# Altium PCB GunPCB1.PcbDoc (part 2 of 2)
Units mil, origin at the board's own origin, x right, y up, seen from the top; angles counter-clockwise.
Board outline 7480 x 4930 mil, 2 copper layers (Top Layer, Bottom Layer); 146 components, 114 nets, 430 pads, 188 vias.
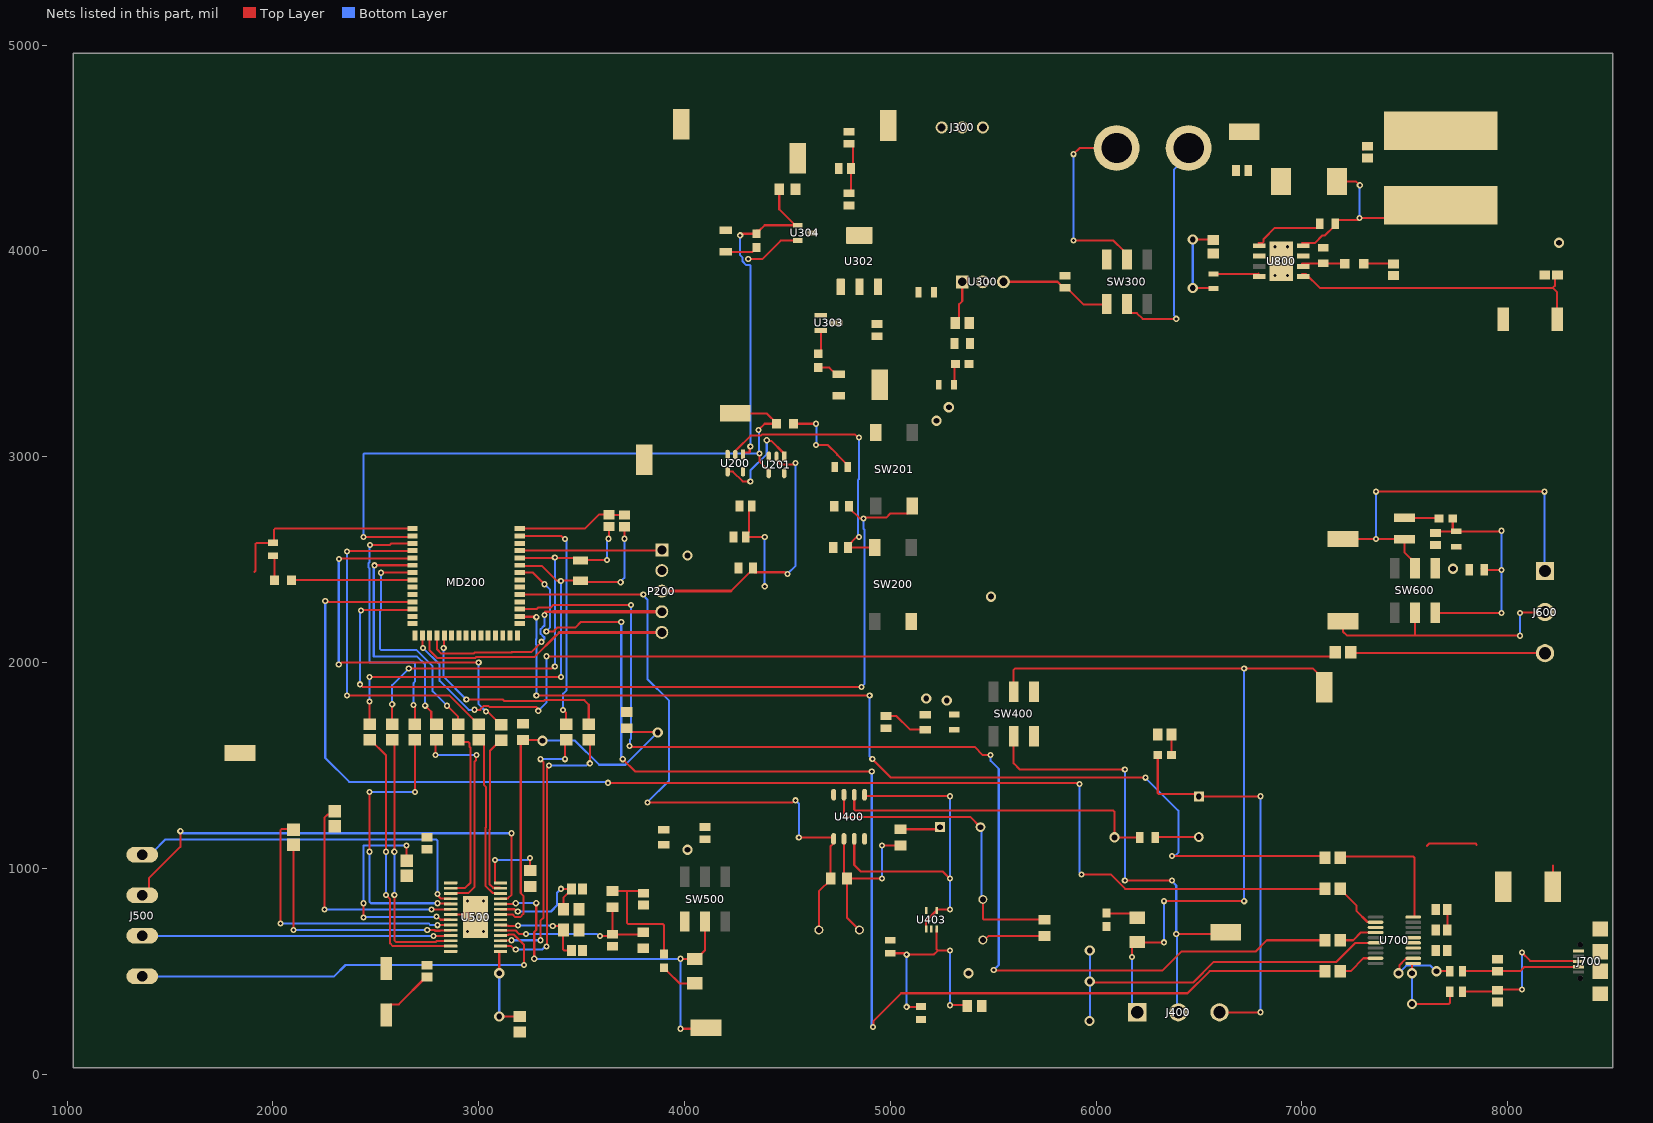
[diagram p2: the nets of this part, all layers, seen from the top]

## Via types
v1: diameter 30, hole 15, Top Layer to Bottom Layer, 164 vias
v2: diameter 50, hole 28, Top Layer to Bottom Layer, 16 vias
v3: diameter 50/50 (per signal layer), hole 28, Top Layer to Bottom Layer, 8 vias

## Nets (pads, with @x,y where several pads share a name; then routed paths per layer and width w, separated by ;. In a path a pad name is that pad's centre, name@x,y a point inside that pad or via, vN(x,y) a via of type N, cw(c..) or ccw(c..) an arc to the next point about the centre after c; other vN are vias at no path point)
3.3V: C200.1 C201.1 C303.1 C306.1 C509.1 C510.1 C511.1 C702.1 MD200.4 P200.1 R200.2 R201.2 R203.2 R204.2 R306.2 R403.2 SW500.6 TP301.1 U200.5 U201.5 U302.2 U302.4 U304.3 U400.8 U403.5 U700.3 U700.14 | length 725.1
  Top Layer w10: MD200.4@3200,2543.7 3883.7,2543.7 P200.1@3890,2550 ; R200.2@4730,2950 R200.2@4730,2958.86 ; C702.1@7637.5,612.5 C702.1@7650,600 C702.1@7650,605.94
  other v3: 4015,1090 4015,2520
3V3_PWR_GOOD: D303.2 R306.1 U200.1 U304.1 | length 1615.8
  Top Layer w10: v1(4270.76,4075.74) 4274.82,4075.74 4282.54,4083.46 D303.2@4350,4083.46 ; U200.1@4284.51,3010 4284.51,3014.52 4289.98,3020 4314.14,3020 4317.13,3022.99 4317.13,3047.13 v1(4320,3050) ; D303.2@4350,4100 4364.57,4100 4389.37,4124.8 U304.1@4540,4124.8 ; R306.1@4460.63,4300 4460.63,4202.36 4532.99,4130 U304.1@4540,4130
  Bottom Layer w10: v1(4270.76,4075.74) 4270.76,3979.24 4282.5,3967.5 4282.5,3948.61 4298.61,3932.5 4317.5,3932.5 4320,3930 v1(4320,3050)
5V: C300.1 C304.1 C305.1 C400.1 C401.1 C402.1 C703.1 C704.1 J300.3 R514.2 SW400.6 TP302.1 TP700.1 U302.3 U303.3 U700.15
  other v2: 5175,1825 5225,3175
  other v3: 5275,1815 5285,3240
5V_PWR_GOOD: D301.2 U303.2 | length 113.7
  Top Layer w10: D301.2@4660,3500 4662.6,3502.6 U303.2@4662.6,3612.6
7.4V: C302.1 C600.1 C601.1 C602.1 C804.1 L800.1 R801.1 SW600.6 TP300.1 | length 168.1
  Top Layer w10: TP300.1@6680,4550 TP300.1@6710,4580 ; C804.1@7298.3,4492.81 C804.1@7320,4514.51 ; C804.1@7317.03,4511.54 C804.1@7320,4514.51 ; C804.1@7320,4508.57 C804.1@7320,4514.51 ; C804.1@7320,4518.57 C804.1@7320,4514.51 ; L800.1@7560,4540 L800.1@7580,4560 ; C602.1@7650,2570.47 C602.1@7657.87,2562.6 ; C600.1@7747.4,2562.6 7750,2560 7752.6,2562.6 7761.81,2562.6 C600.1@7770.59,2553.82 ; C601.1@7810,2450 C601.1@7810,2462.44
  other v3: 7735,2455 8250,4040
24V: C502.1 C503.2 C504.1 C507.1 C803.1 D300.2 J300.1 R300.1 R301.1 R505.2 U300.2 U500.15 U500.28 U800.2
  other v3: 5380,490 5490,2320
FTDI_CTS_N: R705.2 U700.9 | length 211.8
  Top Layer w10: R705.2@7187.4,500 7236.93,500 7299.43,562.5 7357.87,562.5 U700.9@7360,560.37 ; U700.9@7358.46,562.5 7367.87,562.5 U700.9@7370,560.37
FTDI_RTS_N: R704.2 U700.2 | length 258
  Top Layer w10: R704.2@7187.4,900 7187.4,897.05 7264.73,819.72 7264.73,793.37 7319.5,738.6 7356.77,738.6 U700.2@7360,735.37
FTDI_RX: R703.2 U700.4 | length 189
  Top Layer w10: R703.2@7187.4,650 7249.43,650 7286.93,687.5 7357.87,687.5 U700.4@7360,685.37
FTDI_TX: R702.2 U700.20 | length 659.3
  Top Layer w10: R702.2@7187.4,1050 7194.69,1057.29 7541.86,1057.29 7547.71,1051.43 7547.71,765.16 7545.06,762.5 U700.20@7541.54,762.5
GND: C200.2 C201.2 C202.1 C203.1 C300.2 C301.2 C302.2 C303.2 C304.2 C305.2 C306.2 C400.2 C401.2 C402.2 C407.2 C500.2 C501.2 C502.2 C504.2 C506.2 C507.2 C508.1 C509.2 C510.2 C511.2 C600.2 C601.2 C602.2 C700.2 C701.2 C702.2 C703.2 C704.2 C802.2 C803.2 C804.2 C805.2 C806.1 D400.1 D500.1 D600.1 D800.2 J300.2 J700.5 J700.Shell MD200.1 MD200.15 MD200.43 P200.2 R202.1 R300.2 R303.1 R305.2 R307.1 R401.1 R407.1 R500.1 R501.2 R510.2 R511.1 R515.1 R516.1 R800.1 SW200.3 SW201.3 SW300.3 SW400.3 SW600.3 TP201.1 TP202.1 TP303.1 TP501.1 TP701.1 U200.3 U201.3 U302.1 U303.1 U304.2 U400.4 U403.2 U500.7 U500.21 U500.29 U700.6 U700.16 U800.7 U800.9 | length 7694.6
  Top Layer w10: 1910,2440 1915,2445 1915,2575.64 1920.86,2581.5 R202.1@2000,2581.5 ; R202.1@2000,2585 2005,2590 2005,2644.14 2010.86,2650 MD200.43@2678.82,2650 ; C502.2@2550,310 2550,316.34 2572.56,338.9 2611.54,338.9 2744.06,471.43 C504.2@2750,471.43 ; U500.21@2863.94,775.21 2964.79,775.21 U500.29@2980,760 ; MD200.1@3200,2650 3515,2650 3585,2720 C202.1@3630,2720 ; C202.1@3633.52,2717.68 3692.32,2717.68 C203.1@3700,2710 ; R511.1@3650,887.83 R511.1@3652.41,885.42 ; R511.1@3650,890 3720,890 ; C509.2@3800,878.57 3788.57,890 3720,890 ; D500.1@3900,583.46 3900,724.14 3894.14,730 3725.86,730 3720,735.86 3720,890 ; C201.2@4297.11,2610 C201.2@4300,2610 ; v1(4310,3960) 4377.72,3960 4467.72,4050 U304.2@4550,4050 ; C200.2@4326.63,2760 4312.93,2746.3 4312.93,2633.7 4300,2620.77 C201.2@4300,2610 ; v1(4390,2610) C201.2@4300,2610 ; C306.2@4800,4279.53 4810,4289.53 C303.2@4810,4400 ; C303.2@4809.06,4400 4820,4410.94 C304.2@4820,4520 ; C402.2@4980,1740 5030,1740 5095,1675 5170,1675 C401.2@5175,1670 ; v2(5970,450) 5975,445 6472.85,445 6572.93,545.08 7168.55,545.08 7260.97,637.5 U700.6@7358.46,637.5 U700.6@7357.36,636.4 ; v2(6470,3820) 6471.32,3818.68 C802.2@6568.68,3818.68 ; v2(6470,4055) 6567.81,4055 C803.2@6570,4052.81 ; U700.16@7541.54,662.5 U700.16@7542.64,663.6 ; 7607.86,1107.86 7620,1120 7844.14,1120 7850,1114.14 ; SW600.3@7648.43,2241.73 7650.16,2240 v1(7970,2240) ; C602.2@7650,2629.53 7657.87,2637.4 7747.4,2637.4 7750,2640 7739.65,2640 7733.46,2646.18 D600.1@7733.46,2700 ; C703.2@7707.15,707.15 C704.2@7707.15,800 C704.2@7707.15,805.94 ; C600.2@7750,2637.4 7967.4,2637.4 v1(7970,2640) ; C601.2@7872.72,2457.28 C601.2@7880,2450 ; C601.2@7886.42,2450 v1(7970,2450) ; TP701.1@8220,900 8220,1014.14
  Bottom Layer w10: v1(4390,2370) v1(4390,2610) ; v2(5967.99,258.13) 5970,260.15 v2(5970,450) v2(5970,600) ; v2(6470,3820) v2(6470,4055) ; v1(7970,2240) v1(7970,2450) v1(7970,2640)
  other v1: 2945.63,693.51 3024.37,693.51 2985,762.41 2945.63,841.15 3024.37,841.15
hall_gnd: J400.2 SW400.2 TP401.1 | length 2334.8
  Top Layer w10: SW400.2@5600,1641.73 5600,1510 5630,1480 v1(6140,1480) ; v1(6140,940) v1(6370,940) ; v1(6390,680) TP401.1@6620,680
  Bottom Layer w10: v1(6140,940) v1(6140,1480) ; v1(6370,940) 6370,935.94 6390,915.94 v1(6390,680) 6392.87,677.13 6392.87,302.87 J400.2@6390,300
hall_sig: C403.1 D401.2 J400.3 | length 1931.4
  Top Layer w10: D401.2@6300,1550 6300,1365.86 6305.86,1360 6490,1360 C403.1@6500,1350 ; C403.1@6500,1348.43 6798.43,1348.43 v1(6800,1350) ; J400.3@6610,300 v1(6800,300)
  Bottom Layer w10: v1(6800,300) v1(6800,1350)
hall_vdd: J400.1 R400.1 SW400.5 TP400.1 | length 3787.9
  Top Layer w10: SW400.5@5600,1858.27 5600,1964.14 5605.86,1970 v1(6720,1970) 7054.84,1970 7084.84,1940 TP400.1@7110,1940 ; v1(6175.53,569.45) 6175.53,616.48 R400.1@6200,640.94 6200,640 v1(6330,640) ; v1(6330,840) v1(6720,840)
  Bottom Layer w10: 6175.53,344.87 v1(6175.53,569.45) ; v1(6330,640) v1(6330,840) ; v1(6720,840) v1(6720,1970)
NetC301_1: C301.1 SW300.6 U300.3 | length 555.8
  Top Layer w10: U300.3@5550,3850 5812.6,3850 5842.6,3820 C301.1@5850,3820 ; C301.1@5850,3820.47 5857.87,3820.47 5938.35,3740 SW300.6@6060,3740
NetC403_2: C403.2 R404.2 | length 210.7
  Top Layer w10: R404.2@6290,1150 6291.57,1151.57 C403.2@6500,1151.57
NetC404_1: C404.1 R402.2 | length 194.4
  Top Layer w10: R402.2@5050,1189.37 5229.37,1189.37 C404.1@5240,1200
NetC404_2: C404.2 C406.1 R406.1 U400.7 | length 1557.7
  Top Layer w10: U400.7@4775,1357.28 4775,1255.86 4780.86,1250 5388.43,1250 C404.2@5438.43,1200 ; C406.1@5450,848.43 5450,755.86 5455.86,750 5740,750 R406.1@5750,760 ; C406.1@5450,850 C406.1@5450,857.44
  Bottom Layer w10: C404.2@5440,1200 5444.21,1195.79 5444.21,854.21 C406.1@5450,848.43 ; C406.1@5450,850 C406.1@5450,857.44
NetC405_2: C405.2 R402.1 R405.2 U400.2 | length 894.3
  Top Layer w10: U400.2@4775,1142.72 4775,965 4790,950 v1(4960,950) ; R405.2@4789.37,950 4789.37,760.63 C405.2@4850,700 ; v1(4960,1110) 5049.37,1110 R402.1@5050,1110.63
  Bottom Layer w10: v1(4960,950) v1(4960,1110)
NetC406_2: C406.2 R406.2 | length 308.8
  Top Layer w10: C406.2@5450,650 5457.44,650 5478.7,671.26 R406.2@5750,671.26
NetC407_1: C407.1 R403.1 R407.2 U403.3 | length 1096.4
  Top Layer w10: R403.1@5000,586.85 5073.15,586.85 v1(5080,580) 5210,580 5230,600 ; v1(5080,326.57) R407.2@5150,326.57 ; U403.3@5225.59,705.63 5225.59,605.86 5231.45,600 v1(5290,600) v1@5284.37,605.63 ; v1(5290.81,334.38) 5365.62,334.38 C407.1@5370,330
  Bottom Layer w10: v1@5080,325 v1(5080,326.57) v1(5080,580) ; v1(5290,600) 5290,330 5290.81,330.81 v1(5290.81,334.38)
NetC500_1: C500.1 R500.2 U500.9 | length 545.9
  Top Layer w10: U500.9@3106.06,800.8 3175.11,800.83 3185.94,790 v1(3190,790) ; v1(3400,900) C500.1@3450,900 3450,895.05 3411.61,856.66 R500.2@3411.61,800
  Bottom Layer w10: v1(3190,790) 3351.41,790 3380.64,819.23 3380.64,880.47 3400,899.84 v1(3400,900)
NetC501_1: C501.1 R501.1 U500.6 | length 453.6
  Top Layer w10: U500.6@3106.06,724.06 3107.95,722.17 3141.16,722.17 3144.56,718.77 3167.34,718.77 3168.2,719.62 3188.27,719.62 v1(3191.14,722.49) ; v1(3360,720) 3390.04,720 3410,700.04 3410,605.86 3415.86,600 C501.1@3450,600
  Bottom Layer w10: v1(3191.14,722.49) 3192.39,721.25 3358.75,721.25 v1(3360,720)
NetC503_1: C503.1 U500.22 | length 1062.4
  Top Layer w10: v1(2440,760) v1(2440,830) ; C503.1@2650,1040 v1(2650,1110) ; v1(2795,765) 2800.41,765 2815.77,749.65 U500.22@2863.94,749.62
  Bottom Layer w10: v1(2440,760) 2442.5,762.5 2792.5,762.5 v1(2795,765) ; v1(2440,830) 2440,1110 v1(2650,1110)
NetC505_1: C505.1 U500.24 | length 1180.4
  Top Layer w10: C505.1@2090,1110 2100,1100 v1(2100,700) ; v1(2750,700) 2785.42,700 2789.05,696.37 2811.71,696.37 2813.8,698.46 U500.24@2863.94,698.46
  Bottom Layer w10: v1(2100,700) v1(2750,700)
NetC505_2: C505.2 U500.23 | length 1350.2
  Top Layer w10: v1(2036.43,730.83) 2036.43,1184.14 2042.29,1190 C505.2@2100,1190 ; v1(2800.23,723.37) 2800.56,723.7 2863.58,723.7 U500.23@2863.94,724.06
  Bottom Layer w10: v1(2036.43,730.83) 2758.06,730.83 2763.89,725 2798.6,725 v1(2800.23,723.37)
NetC506_1: C506.1 R505.1 R511.2 U500.5 | length 853.1
  Top Layer w10: U500.5@3106.06,698.46 3170.51,698.46 3171.47,697.5 3179.68,697.5 3197.18,680 v1(3230,680) ; v1(3590,670) 3640,670 C506.1@3650,680 ; C506.1@3650,672.83 C506.1@3655,677.83 ; R511.2@3650,810 C506.1@3650,680 ; R505.1@3800,690 3788.57,678.57 C506.1@3650,678.57 C506.1@3650,680
  Bottom Layer w10: v1(3230,680) 3575.94,680 3585.94,670 v1(3590,670)
NetC508_2: C508.2 U500.20 | length 1126.4
  Top Layer w10: v1(2250,800) 2250,1245.82 2265.09,1260.91 2274.49,1260.91 2290,1276.42 C508.2@2290,1290 ; v1(2770,800) 2770.41,800.41 2863.52,800.41 U500.20@2863.94,800.8
  Bottom Layer w10: v1(2250,800) v1(2770,800)
NetC801_1: C801.1 U800.1 | length 358.8
  Top Layer w10: 6788.7,4037.79 6807.4,4037.79 6814.21,4044.6 6814.21,4057.74 6868.67,4112.2 7074.88,4112.2 7090,4127.31 C801.1@7090,4140
NetC801_2: C801.2 D800.1 L800.2 U800.8 | length 902
  Top Layer w10: 7001.3,4037.79 7063.08,4037.79 7100.28,4074.99 7112.48,4074.99 7157.49,4120 C801.2@7170,4120 ; C801.2@7162.4,4132.79 7162.4,4137.28 7175.12,4150 7274.14,4150 7274.14,4150.08 7280,4155.94 v1(7280,4160) 7510,4160 L800.2@7550,4200 ; D800.1@7170.83,4337.79 7261.89,4337.79 7280.71,4318.97 v1(7281.97,4318.97)
  Bottom Layer w10: v1(7280,4160) 7280,4317 v1(7281.97,4318.97)
NetC802_1: C802.1 U800.4 | length 220.9
  Top Layer w10: C802.1@6570,3888.22 6570.22,3888 6788,3888 6790,3890
NetC805_1: C805.1 R802.1 | length 149.7
  Top Layer w10: R802.1@7301.26,3937.79 7447.79,3937.79 C805.1@7450,3940
NetC806_2: C806.2 R802.2 U800.6 | length 210.6
  Top Layer w10: 7001.3,3937.79 C806.2@7102.21,3937.79 ; C806.2@7100,3940 C806.2@7102.21,3937.79 ; R802.2@7208.74,3937.79 C806.2@7102.21,3937.79
NetD300_1: D300.1 R303.2 | length 101.6
  Top Layer w10: R303.2@5312.6,3350 5312.6,3446.06 D300.1@5316.54,3450
NetD301_1: D301.1 R305.1 | length 113.7
  Top Layer w10: D301.1@4650,3433.07 4704.13,3433.07 4737.2,3400 R305.1@4750,3400
NetD303_1: D303.1 R307.2 | length 149.1
  Top Layer w10: R307.2@4200,3995.67 4331.1,3995.67 4340,4004.57 D303.1@4340,4010
NetD400_2: D400.2 R400.2 | length 158.7
  Top Layer w10: D400.2@6050,780 6179.06,780 R400.2@6200,759.06
NetD401_1: D401.1 R401.2 | length 101.3
  Top Layer w10: R401.2@6366.93,1650 6366.93,1553.07 D401.1@6370,1550
NetD500_2: D500.2 R517.1 | length 200.7
  Top Layer w10: D500.2@3900,516.54 3900,514.57 3914.69,499.88 3916.65,499.88 3976.54,440 R517.1@4060,440 ; R517.1@4042.13,440.94 R517.1@4050,440.94
NetD600_2: D600.2 R600.2 | length 160.9
  Top Layer w10: R600.2@7500,2702.17 7657.83,2702.17 D600.2@7660,2700
NetJ301_1: J301.1 SW300.5 | length 1058.8
  Top Layer w10: SW300.5@6150,3741.73 6150,3716.14 6168.62,3697.52 6198.59,3697.52 6226.11,3670 v1(6390,3670)
  Bottom Layer w10: v1(6390,3670) 6390,3675.41 6378,3687.41 6378,4393.5 6400,4415.5 J301.1@6400,4430
NetJ302_1: J302.1 SW300.2 | length 914.3
  Top Layer w10: v1(5890,4470) 5920,4500 J302.1@6100,4500 ; v1(5890.77,4051.14) 6082.72,4051.14 6133.86,4000 SW300.2@6140,4000
  Bottom Layer w10: v1(5890,4470) 5890,4050 5890.77,4050.77 v1(5890.77,4051.14)
NetJ500_1: J500.1 U500.4 | length 2110
  Top Layer w10: U500.4@3110,670 3116.57,676.57 3143.59,676.57 3144.51,677.5 3171.39,677.5 3220,628.89 v1(3220,530)
  Bottom Layer w10: J500.1@1365,474.72 2297.45,474.72 2352.72,530 v1(3220,530)
NetJ500_2: J500.2 U500.25 | length 1504.7
  Top Layer w10: v1(2780,670) 2781.44,671.44 2862.5,671.44 U500.25@2863.94,672.87
  Bottom Layer w10: J500.2@1360.79,670.79 2779.21,670.79 v1(2780,670)
NetJ500_3: J500.3 U500.11 | length 2368.8
  Top Layer w10: J500.3@1370,860 1398.39,888.39 1398.39,952.91 1550,1104.52 v1(1550,1180) ; U500.11@3106.06,851.98 3107.95,853.9 3141.78,853.9 3160,872.12 v1(3160,1170)
  Bottom Layer w10: v1(1550,1180) 1554.06,1180 1564.06,1170 v1(3160,1170)
NetJ500_4: J500.4 U500.18 | length 1793.5
  Top Layer w10: v1(2800,875) 2803.83,871.17 2803.83,865.06 2816.88,852.01 U500.18@2863.94,851.98
  Bottom Layer w10: J500.4@1370,1080 1418.11,1080 1478.11,1140 2794.14,1140 2800,1134.14 v1(2800,875)
NetR301_2: R301.2 U300.1 | length 213.4
  Top Layer w10: R301.2@5310,3660 5321.61,3660 5335.16,3673.54 5335.16,3741.1 5350,3755.94 U300.1@5350,3850
NetR404_1: R404.1 U400.6 | length 1587.8
  Top Layer w10: U400.6@4825,1357.28 4825,1285.86 4830.86,1280 6084.14,1280 6090,1274.14 v2(6090,1150) R404.1@6212.4,1150
NetR502_2: R502.2 U500.26 | length 1263.2
  Top Layer w10: R502.2@2580,1630 2590,1620 v1(2590,1080) ; v1(2590,870) 2590,650 2597.5,642.5 2791.39,642.5 2796.17,647.28 U500.26@2863.94,647.25
  Bottom Layer w10: v1(2590,870) v1(2590,1080)
NetR503_2: R503.2 U500.27 | length 1336.1
  Top Layer w10: R503.2@2470,1630 2470,1627.72 2550,1547.72 v1(2550,1080) ; v1(2550,870) 2570,850 2570,634.55 2582.85,621.69 U500.27@2863.94,621.66
  Bottom Layer w10: v1(2550,870) v1(2550,1080)
NetR504_2: R504.2 U500.19 | length 1411.6
  Top Layer w10: v1(2470,1080) v1(2470,1370) ; v1(2690,1370) R504.2@2690,1624.76 R504.2@2690,1630 ; v1(2800,830) 2801.79,828.21 2862.15,828.21 U500.19@2863.94,826.39
  Bottom Layer w10: v1(2470,1080) 2470,836.6 2476.6,830 v1(2800,830) ; v1(2470,1370) v1(2690,1370)
NetR506_2: R506.2 U500.3 | length 1297.5
  Top Layer w10: U500.3@3106.06,647.25 3107.42,648.64 3158.64,648.64 v1(3160,650) ; v1(3300,650) 3300,744.21 3315,759.21 3315,1514.14 3300,1529.14 v1(3300,1530) ; v1(3420,1530) R506.2@3420,1620
  Bottom Layer w10: v1(3160,650) v1(3300,650) ; v1(3300,1530) v1(3420,1530)
NetR507_2: R507.2 U500.13 | length 788.2
  Top Layer w10: U500.13@3106.06,903.16 3104.17,905.08 3070.35,905.08 3052.5,922.93 3052.5,1187.83 3055,1190.33 3055,1570.55 R507.2@3110,1625.55
NetR508_2: R508.2 U500.12 | length 806.5
  Top Layer w10: R508.2@3007.95,1620 3025.51,1602.44 3025.51,1405.27 3035,1395.78 3035,1198.61 3032.5,1196.11 3032.5,914.65 3067.66,879.49 3104.17,879.49 U500.12@3106.06,877.57
NetR509_2: R509.2 U500.17 | length 1053.6
  Top Layer w10: v1(2790,1550) R509.2@2790,1630 ; U500.17@2863.94,877.57 2865.75,879.41 2949.41,879.41 2980,910 2980,1517.5 2987.13,1524.63 2987.13,1547.13 v1(2990,1550)
  Bottom Layer w10: v1(2790,1550) v1(2990,1550)
NetR510_1: R510.1 U500.1 | length 430.9
  Top Layer w10: v2(3100,280) R510.1@3200,280 ; v2(3100,490) 3100,594.18 3101.89,596.07 U500.1@3106.06,596.07 ; R510.1@3200.12,275.94 R510.1@3210,275.94
  Bottom Layer w10: v2(3100,280) v2(3100,490)
NetR512_2: R512.2 U500.16 | length 847.1
  Top Layer w10: U500.16@2863.94,903.16 2933.19,903.19 2960,930 2960,1585.72 2954.49,1591.23 2954.49,1608.28 2948.63,1614.14 2905.86,1614.14 R512.2@2900,1620
NetR513_2: R513.2 U500.2 | length 1438.3
  Top Layer w10: U500.2@3106.06,621.66 3157.92,621.66 3174.59,605 v1(3180,605) ; v1(3330,620) 3332,622 3332,1484.59 3342,1494.59 v1(3342,1500) ; R513.2@3530,1620 3540,1610 v1(3540,1510)
  Bottom Layer w10: v1(3180,605) 3309.59,605 3324.59,620 v1(3330,620) ; v1(3342,1500) 3524.59,1500 3534.59,1510 v1(3540,1510)
NetR514_1: R514.1 R515.2 U500.8 | length 1903.7
  Top Layer w10: U500.8@3106.06,775.21 3165.87,775.24 3178.61,762.5 3201.39,762.5 3217.5,778.61 3217.5,865.81 3204.49,878.83 3204.49,1613.82 R515.2@3212.83,1622.17 ; R515.2@3215,1622.8 3307.2,1622.8 v2(3310,1620) ; R514.1@3720,1680 3737.99,1662.01 3867.99,1662.01 v2(3870,1660)
  Bottom Layer w10: v2(3310,1620) 3468.18,1620 3585.18,1503 3713,1503 v2(3870,1660)
NetR516_2: R516.2 U500.14 | length 370.5
  Top Layer w10: v1(3080,1040) 3080.29,1039.71 3080.29,930.67 3082.18,928.78 U500.14@3106.06,928.78 ; R516.2@3250,984.06 R516.2@3250,984.45 ; R516.2@3250,990 v1(3250,1050)
  Bottom Layer w10: v1(3080,1040) 3235.94,1040 3245.94,1050 v1(3250,1050)
NetR800_2: R800.2 R801.2 U800.5 | length 1469.8
  Top Layer w10: 7001.3,3887.79 7020,3887.79 7087.79,3820 8220,3820 ; R801.2@8240,3870 8233.47,3870 8230,3866.53 8230,3830 8220,3820 ; R800.2@8240.91,3667.79 8240.91,3799.09 8220,3820
NetU400_3: U400.3 U400.5 U403.1 U403.4 | length 1766
  Top Layer w10: U400.3@4825,1142.72 4825,1015.86 4856.49,984.36 5255.64,984.36 v1(5290,950) ; U400.5@4870,1360 4880,1350 v1(5290,1350) ; U403.1@5174.41,705.63 5174.41,744.41 U403.4@5220,790 ; U403.4@5225.59,794.37 5225.59,799 5226.59,800 v1(5290,800)
  Bottom Layer w10: v1(5290,800) v1(5290,950) v1(5290,1350)
P0_0: C202.2 MD200.5 R502.1 Y200.1 | length 2149.6
  Top Layer w10: v1(2579.6,1796.72) 2579.6,1699.96 R502.1@2580,1699.57 ; v1(2660,1970) 3355.94,1970 3365.94,1980 v1(3370,1980) ; MD200.5@3200,2510 3202.13,2507.87 3482.74,2507.87 Y200.1@3492.23,2498.38 ; Y200.1@3490,2500 3491.62,2498.38 Y200.1@3492.23,2498.38 ; Y200.1@3494.94,2495.67 Y200.1@3492.23,2498.38 ; v1(3623.81,2498.38) Y200.1@3492.23,2498.38 ; v1(3630.62,2601.33) 3633.52,2604.23 C202.2@3633.52,2660.59
  Bottom Layer w10: v1(2579.6,1796.72) 2579.6,1889.6 v1(2660,1970) ; v1(3370,1980) v1(3370,2510) ; v1(3623.81,2498.38) 3623.81,2594.51 v1(3630.62,2601.33)
P0_1: C203.2 MD200.6 R503.1 Y200.2 | length 2412.8
  Top Layer w10: R503.1@2470,1699.57 v1(2470,1810) ; v1(2470,1930) v1(3400,1930) ; MD200.6@3210,2470 3211.81,2468.19 3308.25,2468.19 3379.19,2397.24 Y200.2@3494.94,2397.24 ; Y200.2@3500,2400 3510,2390 v1(3690,2390) ; v1(3707.83,2601.33) 3708.52,2602.02 C203.2@3708.52,2659.13
  Bottom Layer w10: v1(2470,1810) v1(2470,1930) ; v1(3399.21,2395.98) 3400,2395.19 v1(3400,1930) ; v1(3690,2390) 3690,2393.23 3707.83,2411.06 v1(3707.83,2601.33)
P0_4: MD200.41 R504.1 | length 1308.5
  Top Layer w10: v1(2471.49,2571.2) 2471.67,2571.02 2568.07,2571.02 2576.18,2579.13 MD200.41@2678.82,2579.13 ; v1(2683.6,1792.6) 2690,1786.2 R504.1@2690,1699.57
  Bottom Layer w10: v1(2471.49,2571.2) 2470,2569.71 2470,2487.95 2465.61,2483.57 2465.61,2460.78 2470,2456.4 2470,2000 2684.14,2000 2690,1994.14 2690,1906.53 2683.6,1900.13 v1(2683.6,1792.6)
P0_5: MD200.2 R506.1 | length 1145.5
  Top Layer w10: MD200.2@3200,2620 3205.43,2614.57 3401.37,2614.57 3415.94,2600 v1(3420,2600) ; v1(3410.41,1769.33) 3410.41,1769.59 3425,1755 R506.1@3425,1699.57
  Bottom Layer w10: v1(3410.41,1769.33) 3410.41,1848.85 3427.5,1865.93 3427.5,2592.5 v1(3420,2600)
P5_0: MD200.39 R507.1 | length 1903.3
  Top Layer w10: v1(2320,1990) 2324.06,1990 2334.06,2000 v1(3000,2000) ; v1(2321.54,2503.25) 2323.85,2505.56 2665.56,2505.56 MD200.39@2670,2510 ; v1(3035.74,1761.71) 3038.29,1761.71 3040,1760 3044.45,1760 3107.05,1697.4 R507.1@3110,1697.4
  Bottom Layer w10: v1(2320,1990) 2320,2501.71 v1(2321.54,2503.25) ; v1(3000,2000) 3000,1797.45 v1(3035.74,1761.71)
P5_1: MD200.40 R508.1 | length 1718.4
  Top Layer w10: v1(2360,1840) 2856.85,1840 2997.05,1699.8 R508.1@3000,1699.8 ; v1(2360,2540) 2361.85,2541.85 2676.97,2541.85 MD200.40@2678.82,2543.7
  Bottom Layer w10: v1(2360,1840) v1(2360,2540)
P5_2: MD200.38 R509.1 | length 1210.8
  Top Layer w10: v1(2493.11,2472.17) 2493.25,2472.31 2678.69,2472.31 MD200.38@2678.82,2472.44 ; v1(2740,1790) 2769.49,1760.51 2769.49,1722.13 2792.05,1699.57 R509.1@2795,1699.57
  Bottom Layer w10: v1(2493.11,2472.17) 2490,2469.06 2490,2030 2700,2030 2740,1990 v1(2740,1790)
P5_3: MD200.37 R512.1 | length 1151.2
  Top Layer w10: v1(2525.03,2436.14) 2525.47,2436.57 2678.38,2436.57 MD200.37@2678.82,2437.01 ; v1(2846.28,1789.52) 2900,1735.8 R512.1@2900,1699.57
  Bottom Layer w10: v1(2525.03,2436.14) 2525.03,2251.48 2520,2246.45 2520,2065.86 2525.86,2060 2698.28,2060 2775.85,1982.44 2775.85,1859.95 v1(2846.28,1789.52)
P5_4: MD200.25 R513.1 | length 1062.1
  Top Layer w10: v1(2830,2070) 2831.56,2071.56 2831.56,2129.19 MD200.25@2833.11,2130.75 ; v1(2940,1820) 3116.97,1820 3124.47,1812.5 3316.66,1812.5 3320.98,1816.83 3513.17,1816.83 3535,1795 R513.1@3535,1699.57
  Bottom Layer w10: v1(2830,2070) 2829.84,2069.84 2829.84,1930.16 v1(2940,1820)
P6_2: MD200.28 R601.1 | length 4951.1
  Top Layer w10: MD200.28@2726.42,2130.75 2726.42,2073.58 v1(2730,2070) ; v1(2980,1770) 3008.24,1770 3008.24,1773.11 3024.35,1789.21 3047.13,1789.21 3053.17,1783.17 3280,1783.17 3289.43,1773.74 v1(3289.43,1765.12) ; v1(3330,2030) 7140.04,2030 R601.1@7170,2059.96
  Bottom Layer w10: v1(2730,2070) 2809.84,1990.16 2809.84,1911.27 2951.11,1770 v1(2980,1770) ; v1(3289.43,1765.12) 3330,1805.69 v1(3330,2030)
P6_3: MD200.30
P6_4: MD200.24
P6_5: MD200.29
P7_1: MD200.23
P7_2: MD200.22
P7_7: MD200.31
P9.0: MD200.17
P9.1: MD200.18
P9.2: MD200.21
P9.3: MD200.9
P9_4: MD200.14
P9_5: MD200.19
P9_6: MD200.20
P10.0: MD200.13 R702.1 | length 4973.6
  Top Layer w10: MD200.13@3200,2224.02 3202.01,2222.01 3277.99,2222.01 v1(3280,2220) ; v1(3280,1840) v1(4900,1840) ; v1(4912.78,1530.74) 5003.52,1440 v1(6240,1440) ; v1(6370,1060) 7100,1060 R702.1@7110,1050
  Bottom Layer w10: v1(3280,1840) 3280,2087.31 3278.27,2089.03 3278.27,2111.81 3280,2113.54 v1(3280,2220) ; v1(4900,1840) 4900,1543.52 v1(4912.78,1530.74) ; v1(6240,1440) 6400,1280 6400,1075.86 6387.01,1062.87 6372.87,1062.87 v1(6370,1060)
P10.1: MD200.12 R703.1 | length 5749.1
  Top Layer w10: MD200.12@3200,2259.45 3281.47,2259.45 3288.48,2266.46 3349.94,2266.46 3363.49,2280 v1(3740,2280) ; v1(3733.38,1593.38) 3736.76,1590 5410.02,1590 5450.02,1550 v1(5487.5,1550) ; v1(5503.13,505.76) 5505.16,503.73 6323.73,503.73 6415,595 6775.02,595 6830.02,650 R703.1@7110,650
  Bottom Layer w10: v1(3733.38,1593.38) 3735,1595 3735,1623.38 3740,1628.38 v1(3740,2280) ; v1(5487.5,1550) 5487.5,1522.5 5527.37,1482.63 5527.37,530 v1(5503.13,505.76)
P10.2: MD200.33 R704.1 | length 6567.3
  Top Layer w10: v1(2254.26,2298.34) 2251.66,2298.34 2255.12,2294.88 MD200.33@2678.82,2294.88 ; v1(3628.46,1415.09) 5910.85,1415.09 5915.94,1410 v1(5920,1410) ; v1(5930,970) 6071.11,970 6141.11,900 R704.1@7112.6,900
  Bottom Layer w10: v1(2254.26,2298.34) 2254.26,1535.86 2370.12,1420 3623.55,1420 v1(3628.46,1415.09) ; v1(5920,1410) 5920,980 v1(5930,970)
P10.3: MD200.7 R705.1 | length 6250.2
  Top Layer w10: MD200.7@3200,2437.01 3262.99,2437.01 v1(3320,2380) ; v1(3328.73,2150.95) 3368.53,2150.95 3368.53,2155.78 3381.71,2168.96 3468.96,2168.96 3497.07,2197.07 v1(3692.76,2197.07) ; v1(3700,1530) 3760,1470 v1(4910,1470) ; v1(4916.79,229.02) 4917.63,229.87 4917.63,256.52 5053.61,392.5 6444.39,392.5 6551.89,500 R705.1@7112.6,500
  Bottom Layer w10: v1(3320,2380) 3347.5,2352.5 3347.5,2171.07 3328.73,2152.3 v1(3328.73,2150.95) ; v1(3692.76,2197.07) 3692.76,1541.3 3700,1534.06 v1(3700,1530) ; v1(4910,1470) 4910,235.81 v1(4916.79,229.02)
P10.4: MD200.8
P10.5: MD200.11
P10.6: C405.1 MD200.10 R405.1 U400.1 | length 3250.1
  Top Layer w10: MD200.10@3200,2330.71 3789.29,2330.71 3790,2330 v1(3800,2330) ; v1(3820,1320) 4525.94,1320 4535.94,1330 v1(4540,1330) ; v1(4555.61,1149.35) 4719.35,1149.35 U400.1@4720,1150 ; C405.1@4653.15,700 4653.15,887.6 4710,944.45 R405.1@4710,950 ; R405.1@4710.63,950 4710.63,1107.93 4722.39,1119.69 4722.39,1137.61 U400.1@4720,1140
  Bottom Layer w10: v1(3800,2330) 3800,2325.94 3820,2305.94 3820,1919.68 3924,1815.68 3924,1424 v1(3820,1320) ; v1(4540,1330) 4555.61,1314.39 v1(4555.61,1149.35)
P12_6: MD200.34
P12_7: MD200.35
PB_IN: MD200.32 R203.1 SW201.2 | length 4239.8
  Top Layer w10: v1(2423.7,1893.87) 2437.56,1880 v1(4860,1880) ; v1(2427.4,2252.91) 2430.27,2255.78 2665.78,2255.78 MD200.32@2670,2260 ; R203.1@4790,2750 4801.2,2750 4851.2,2700 v1@4860,2700 ; v1(4870,2700) 4870,2703.66 4980.36,2703.66 5000.36,2723.66 5084.55,2723.66 5107.11,2746.22 SW201.2@5107.11,2760
  Bottom Layer w10: v1(2423.7,1893.87) 2423.7,2249.21 v1(2427.4,2252.91) ; v1(4860,1880) 4875.6,1895.6 4875.6,2644.02 4870,2649.61 v1(4870,2700)
PRG_RESET_N: P200.3 R204.1 U201.2 | length 1349.2
  Top Layer w10: P200.3@3880,2350 3883.54,2346.46 P200.3@3889.94,2346.46 ; 4225.89,2346.46 4332.54,2453.11 R204.1@4332.54,2460 ; R204.1@4340,2440 4341.57,2438.43 4487.52,2438.43 4495.94,2430 v1(4500,2430) ; U201.2@4447.11,3001.36 4447.11,2985.14 4459.03,2973.22 4459.03,2971.42 4467.82,2962.63 4534.14,2962.63 4540,2968.49 v1(4540,2970)
  Top Layer w15: P200.3@3889.94,2346.46 4225.89,2346.46
  Bottom Layer w10: v1(4500,2430) 4540,2470 v1(4540,2970)
RESET1: U200.4 U201.1 | length 467.9
  Top Layer w10: U200.4@4209.7,2927.28 4235.23,2927.28 4282.52,2880 v1(4320,2880) ; v1(4400,3080) 4402.87,3077.13 4421.99,3077.13 4479.03,3020.08 4479.92,3020.08 U201.1@4480,3020
  Bottom Layer w10: v1(4320,2880) 4320,2932.75 4400,3012.75 v1(4400,3080)
RESET_N: R201.1 SW200.2 U200.2 | length 1360.5
  Top Layer w10: U200.2@4240,3020 4253.91,3033.91 4253.91,3034.82 4321.59,3102.5 4371.39,3102.5 4376.39,3107.5 4829.3,3107.5 4843.95,3092.86 v1(4848.01,3092.86) ; v1(4848.1,2609.08) 4849.01,2610 4837.93,2610 4793.96,2566.02 R201.1@4793.96,2559.13 4920.87,2559.13 SW200.2@4930,2550
  Bottom Layer w10: v1(4848.01,3092.86) 4848.01,2891.46 4842.5,2885.95 4842.5,2618.73 4848.1,2613.14 v1(4848.1,2609.08)
servo_gnd: J600.2 SW600.2 TP601.1 | length 1263.9
  Top Layer w10: TP601.1@7200,2200 7200,2150 7220,2130 7550,2130 ; SW600.2@7550,2241.73 7550,2130 ; v1(8060,2130) 7550,2130 ; v1(8060,2240) 8062.5,2242.5 8179.35,2242.5 J600.2@8181.85,2245
  Bottom Layer w10: v1(8060,2130) v1(8060,2240)
servo_sig: J600.3 R601.2 | length 951
  Top Layer w10: R601.2@7240,2050 7245,2045 J600.3@8175,2045 ; J600.3@8180,2040 J600.3@8175,2045 ; J600.3@8181.85,2045 J600.3@8175,2045
servo_vdd: J600.1 R600.1 SW600.5 TP600.1 | length 1898.5
  Top Layer w10: TP600.1@7200,2600 v1(7360,2600) R600.1@7500,2600 ; v1(7360,2830) v1(8180,2830) ; R600.1@7500,2597.83 7500,2533.86 7550,2483.86 SW600.5@7550,2460
  Bottom Layer w10: v1(7360,2600) v1(7360,2830) ; J600.1@8180,2440 v1(8180,2830)
Stepper_3.3V_LED: R517.2 SW500.5 TP500.1 U500.10 | length 1903.7
  Top Layer w10: U500.10@3106.06,826.39 3172.36,826.42 3175.94,830 v1(3180,830) ; v1(3270,560) 3270,690.12 3279.76,699.88 v1(3279.76,830.24) ; v1(3980,220) 4100,220 TP500.1@4105,225 ; v1(3980,560) R517.2@4058.82,560 ; R517.2@4060,560 R517.2@4058.82,560 ; SW500.5@4100,740 4100,601.18 R517.2@4058.82,560
  Bottom Layer w10: v1(3180,830) 3180.12,830.12 3279.65,830.12 v1(3279.76,830.24) ; v1(3270,560) v1(3980,560) v1(3980,220)
SWDCLK: MD200.26 P200.4 | length 1338.8
  Top Layer w10: MD200.26@2800,2120 2797.28,2117.28 2797.28,2063.83 2818.61,2042.5 2975.32,2042.5 2980.32,2047.5 3162.81,2047.5 ; 3160,2050 3255.35,2050 v1(3305.77,2100.42) ; v1(3320,2230) 3322.87,2232.87 3322.87,2245.78 3323.54,2246.46 3361.76,2246.46
  Top Layer w15: 3361.76,2246.46 P200.4@3889.94,2246.46
  Bottom Layer w10: v1(3305.77,2100.42) 3320,2114.65 3320,2123.45 3317.34,2123.45 3301.23,2139.56 3301.23,2162.34 3317.34,2178.45 3320,2178.45 v1(3320,2230)
SWDIO: MD200.27 P200.5 | length 1261.2
  Top Layer w10: MD200.27@2761.85,2130.75 2761.85,2058.15 2797.5,2022.5 2983.61,2022.5 2988.61,2027.5 3272.07,2027.5 3375.52,2130.95 3376.81,2130.95 3388.53,2142.67 3388.53,2143.96 3391.03,2146.46
  Top Layer w15: 3391.03,2146.46 P200.5@3883.54,2146.46
USB_D_M: C700.1 J700.2 R700.1 | length 567.7
  Top Layer w10: R700.1@7780.55,500 C700.1@7950,500 8061.56,500 8081.56,520 J700.2@8340,520
USB_D_P: C701.1 J700.3 R701.1 | length 767.2
  Top Layer w10: R701.1@7780.55,400 C701.1@7950,400 ; C701.1@7950,407.15 7952.85,410 v1(8070,410) ; v1(8070,590) 8110,550 J700.3@8350,550
  Bottom Layer w10: v1(8070,410) v1(8070,590)
USBDM: R700.2 U700.12 | length 405.7
  Top Layer w10: v2(7470,490) 7475.42,495.42 7475.42,530 7502.79,557.37 7504.34,557.37 7509.47,562.5 U700.12@7541.54,562.5 ; v2(7655,500) R700.2@7719.45,500 7720,500 R700.2@7720,507.39
  Bottom Layer w10: v2(7470,490) 7507,527 7625.43,527 7652.43,500 v2(7655,500)
USBDP: R701.2 U700.11 | length 478.3
  Top Layer w10: v2(7535,340) 7714.14,340 7720,345.86 R701.2@7720,405 ; v2(7535,490) 7535,530.96 U700.11@7541.54,537.5 7569.33,537.5 U700.11@7571.98,534.84
  Bottom Layer w10: v2(7535,340) v2(7535,490)
USR_LED: LED201.2 MD200.36 | length 587.7
  Top Layer w10: LED201.2@2092.91,2401.57 2678.43,2401.57 MD200.36@2680,2400
USR_LED_R: LED201.1 R202.2 | length 123.6
  Top Layer w10: R202.2@2000,2520 2008.66,2511.34 LED201.1@2008.66,2400
VBACKUP: MD200.3
VREF: MD200.16
XRES_N: LED200.1 MD200.42 TP200.1 U201.4 | length 3121
  Top Layer w10: v1(2440,2610) 2440.16,2610.16 2669.84,2610.16 MD200.42@2670,2610 ; TP200.1@4247.11,3210 4399.07,3210 4450,3159.07 LED200.1@4450,3150 ; v1(4360,3130) 4390,3160 LED200.1@4447.11,3160 ; v1(4364.18,3015.82) 4364.18,2977.42 4410,2931.6 U201.4@4410,2920
  Bottom Layer w10: v1(2440,2610) 2440,3011.64 2444.18,3015.82 v1(4364.18,3015.82) 4362.09,3017.91 4362.09,3127.91 v1(4360,3130)
XRES_N_R: LED200.2 R200.1 | length 406.2
  Top Layer w10: LED200.2@4529.78,3160 v1(4640,3160) ; v1(4639.41,3056.75) 4697.2,3056.75 4742.53,3011.42 4742.53,3009.32 4787.97,2963.88 R200.1@4787.97,2960.87
  Bottom Layer w10: v1(4640,3160) 4641.43,3158.57 v1@4641.43,3055.89
pads on no net: J700.1 J700.4 J700.MH1 J700.MH2 SW200.1 SW200.4 SW201.1 SW201.4 SW300.1 SW300.4 SW400.1 SW400.4 SW500.1 SW500.2 SW500.3 SW500.4 SW600.1 SW600.4 U700.1 U700.5 U700.7 U700.8 U700.10 U700.13 U700.17 U700.18 U700.19 U800.3

## Polygon pours and split planes (outlines as drawn)
3.3V on Top Layer "3.3V" (solid, pour order 3): 4675,650 4800,650 4800,1400 4675,1400
7.4V on Top Layer "7.4V" (solid, pour order 4): 6710,4500 6710,4320 6620,4320 6620,4500
7.4V on Top Layer "7.4V" (solid, pour order 5): 8135,4475 8135,4895 8140,4900 6620,4900 6620,4480 6615,4475
7.4V on Top Layer "7.4V" (solid, pour order 6): 8095,3840 8410,3840 8410,4900 8095,4900
7.4V on Top Layer "7.4V" (solid, pour order 7): 7845,2350 7845,2595 7840,2600 7600,2600 7600,2350
3.3V on Top Layer "3.3V" (solid, pour order 8): 4595,3860 4595,3755 3890,3755 3890,3860
3.3V on Top Layer "3.3V" (solid, pour order 10): 3890,2920 4115,2920 4115,3845 3890,3845
3.3V on Top Layer "3.3V" (solid, pour order 11): 5130,805 7455,805 7455,975 5110,975 5110,825
3.3V on Top Layer "3.3V" (solid, pour order 12): 7455,575 7455,825 7245,825 7245,575
3.3V on Top Layer "3.3V" (solid, pour order 13): 7740,625 7245,625 7245,390 7740,390
3.3V on Top Layer "3.3V" (solid, pour order 15): 5110,625 5110,915 5205,915 5205,625
3.3V on Top Layer "3.3V" (solid, pour order 16): 3975,720 5205,720 5205,560 3975,560
5V on Top Layer "5V" (solid, pour order 17): 5158.5,3120 5335,3120 5335,3290 5161.5,3290
5V on Top Layer "5V" (solid, pour order 18): 5170,3625 5170,3120 5065,3120 5065,3625
5V on Top Layer "5V" (solid, pour order 19): 5290,4770 5290,4515 4865,4515 4865,4555 4710,4555 4710,4770
5V on Top Layer "5V" (solid, pour order 20): 5171.58,3856.73 5171.58,4523.42 5170,4525 5075,4525 5075,3855
5V on Top Layer "5V" (solid, pour order 21): 4720,3615 5170,3615 5170,3865 4895,3865 4895,3690 4890,3685 4720,3685
5V on Top Layer "5V" (solid, pour order 23): 5080,1605 5080,1865 4745,1865 4745,1605
3.3V on Top Layer "3.3V_L01_P039" (solid, pour order 39): 3700,1150 4200,1150 4200,650 3700,650
3.3V on Top Layer "3.3V_L01_P038" (solid, pour order 38): 4400,4450 5050,4450 5050,3850 5000,3850 4400,3850
3.3V on Top Layer "3.3V_L01_P037" (solid, pour order 37): 4730,2960 4730,2940 4730,2460 3890,2460 3890,2490 3890,2950
24V on Top Layer "24V_L01_P036" (solid, pour order 36): 2350.55,360 2890,360 2890,1125.36 2340.06,1125.36
24V on Top Layer "24V_L01_P033" (solid, pour order 33): 5600,4660 5600,4180 6790,4180 6790,3950 5600,3950 5600,2250 5390,2250 5390,4660
24V on Top Layer "24V" (solid, pour order 32): 5640,360 5640,560 2840,560 2840,360
24V on Top Layer "24V" (solid, pour order 31): 3750,710 3850,710 3850,510 3750,510
GND on Top Layer "GND_L01_P041" (solid, remove dead copper, pour order 41): 1000,5000 8550,5000 8550,0 1000,0
5V on Top Layer "5V" (solid, pour order 30): 7550,630 7570,650 7660,650 7660,860 7550,860 7550,640 7560,630 7660,630 7660,650 7550,650
5V on Top Layer "5V" (solid, pour order 29): 7638.43,854.88 7935.12,854.88 7990,860 7990,1040 7550,1040 7550,860 7560,850 7570,860 7660,860
5V on Top Layer "5V" (solid, pour order 28): 7890,1040 8080,1040 8080,790 7890,790
5V on Top Layer "5V" (solid, pour order 27): 8080,1040 8080,1700 7920,1700 7920,1040
5V on Top Layer "5V" (solid, pour order 26): 7920,1700 7920,1550 7930,1540 6550,1540 6550,1700
5V on Top Layer "5V" (solid, pour order 24): 6750,1700 5010,1700 5010,1865 6750,1865
5V on Top Layer "5V" (solid, pour order 22): 4860,1835 4880,1815 4880,1705 3650,1705 3645,1710 3645,1820 3645,1710 3645,1835
GND on Bottom Layer "B_GND_1" (solid, pour order 40): 1045,4975 1045,25 8515,25 8540,0 8540,4965
7.4V on Bottom Layer "7.4V" (solid, pour order 35): 6590,2305 6595,2310 8345,2310 8345,4715 8340,4720 6600,4720 6600,2320 6590,2310
3.3V on Bottom Layer "3.3V" (solid, pour order 34): 3940,2595 4095,2595 4095,1005 3940,1005
5V on Bottom Layer "5V" (solid, pour order 9): 5100,3365 5425,3365 5425,1675 5100,1675
24V on Bottom Layer "24V" (solid, pour order 25): 4990,370 6570,370 6570,2500 4990,2500

## Keep-outs
Keep-Out Layer:
  the board outline again, w10

## Other copper
Top Layer:
  pour cut-out: 3670,2480.56 3670,4960 1030,4960 1030,2491.84
Bottom Layer:
  pour cut-out: 3740,2678.46 3740,4970 1040,4970 1040,2690

## Silkscreen, mask and mechanical layers (free items; w line width, h text height)
Top Overlay:
  drawing of 55 lines, arcs and shapes, not listed
  text "5V" at 4965,4710 h30
  text "7.4V" at 6830,4615 h30
  text "3.3V" at 4500,4550 h30
  text "GND" at 3950,4480 h30
  text "XRES_N" at 4155,3275 h30
  text "GND" at 4910,3220 h30
  text "GND" at 3765,3090 h30
  text "Servo_VDD" at 6820,2580 h30
  text "Servo_GND" at 6820,2190 h30
  text "Hall_VDD" at 7020,1750 h30
  text "GND" at 1800,1455 h30
  text "GND" at 8180,1020 h30
  text "5V" at 7955,1015 h30
  text "Hall_GND" at 6520,760 h30
  text "Stepper_3.3V" at 3920,125 h30
Mechanical 1:
  lines w10: 1026.92,95 1026.86,4888.14 1027.89,4904.44 1027.9,4904.28 cw(c1091.62,4904.28) 1090.51,4967.99 6269.08,4970 ; 1027.77,96.88 ccw(c1075,78.59) 1075,27.95 ; 1070,25 8480,25 ; 6271.86,4972.22 8465,4972.22 ; 8461.86,4972.22 cw(c8461.86,4919.07) 8515,4920 ; 8462.78,26.86 ccw(c8461.85,80) 8515,80 8515,4925
BoardOutline:
  lines w10: 1030,30 1030,4960 1040,4960 8510,4960 8510,30 1030,30